# Altium PCB MB1191.PcbDoc (part 1 of 7) (continued)
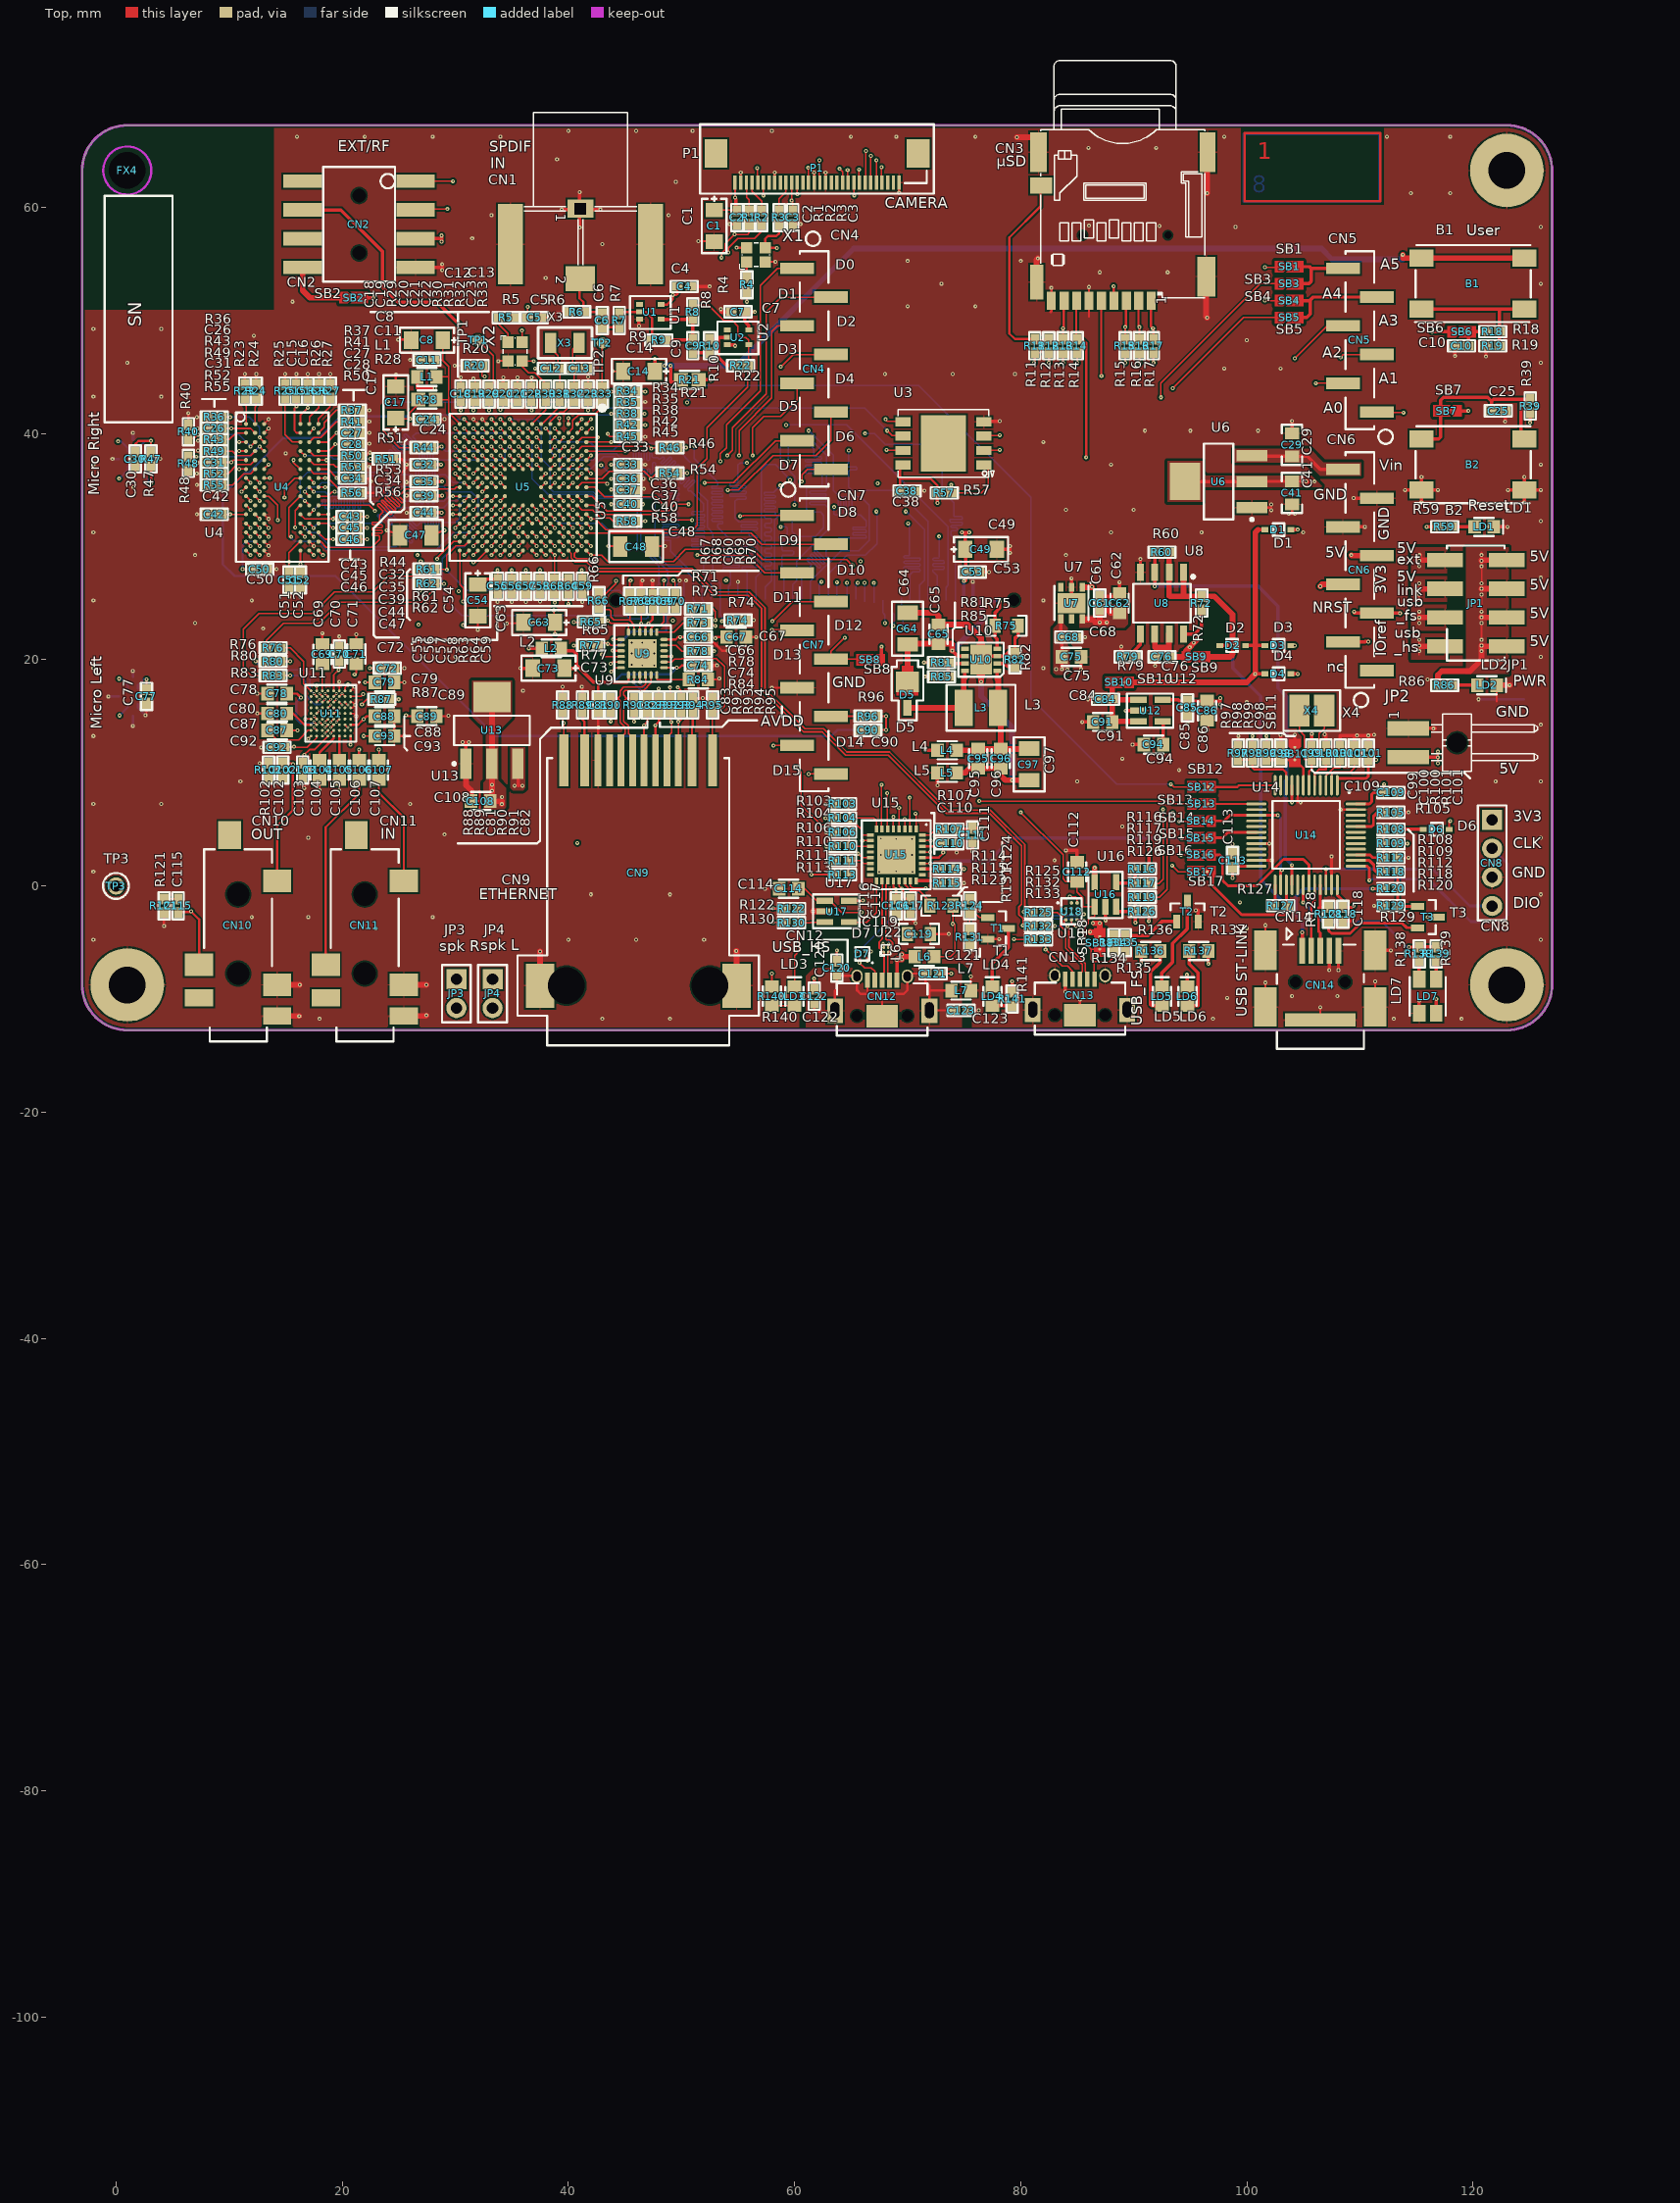
[diagram p0: Top view]
## Components (designator, comment, footprint, x,y, rotation, side; value= is the part's Value field where it differs from the comment)
B1 "SW-PUSH-CMS_BLUE" BP1CMS 120,53.25 r270 top
B2 "SW-PUSH-CMS_BLACK" BP1CMS 120,37.25 r270 top
C1 "10uF" TAN-A 52.9,58.35 r90 top
C2 "100nF" 0402C 54.9,59.1 r90 top
C3 "100nF" 0402C 59.85,59.1 r90 top
C4 "100nF" 0402C 50.25,53 r180 top
C5 "100nF" 0402C 37,50.25 r180 top
C6 "22nF" 0402C 43,50 r270 top
C7 "100nF" 0402C 55,50.75 r0 top
C8 "1uF" TAN-A 27.5,48.25 r0 top
C9 "22nF" 0402C 51,47.75 r270 top
C10 "100nF" 0402C 119,47.75 r0 top
C11 "100nF" 0402C 27.5,46.5 r0 top
C12 "4.7pF_NPO_-+0.25pF_0402" 0402C 38.5,45.75 r0 top value=4.7pF
C13 "4.7pF_NPO_-+0.25pF_0402" 0402C 41,45.75 r180 top value=4.7pF
C14 "4.7uF" TAN-A 46.25,45.5 r0 top
C15 "100nF_X7R_10%_0402" 0402C 15.95,43.75 r270 top value=100nF
C16 "100nF_X7R_10%_0402" 0402C 16.95,43.75 r270 top value=100nF
C17 "1uF" TAN-A 24.75,42.75 r270 top
C18 "100nF" 0402C 30.5,43.5 r270 top
C19 "100nF" 0402C 31.75,43.5 r270 top
C20 "100nF" 0402C 34.25,43.5 r270 top
C21 "100nF" 0402C 35.5,43.5 r270 top
C22 "100nF" 0402C 36.75,43.5 r270 top
C23 "100nF" 0402C 41.75,43.5 r270 top
C24 "100nF" 0402C 27.5,41.25 r180 top
C25 "100nF" 0402C 122.25,42 r180 top
C26 "100nF_X7R_10%_0402" 0402C 8.7,40.45 r0 top value=100nF
C27 "100nF_X7R_10%_0402" 0402C 20.9,40.05 r180 top value=100nF
C28 "100nF_X7R_10%_0402" 0402C 20.9,39.05 r180 top value=100nF
C29 "10uF_X5R_10%_0805" 0805C 104,39 r90 top value=10uF
C30 "100nF" 0402C 1.7,37.75 r270 top
C31 "100nF_X7R_10%_0402" 0402C 8.7,37.45 r0 top value=100nF
C32 "100nF" 0402C 27.25,37.25 r0 top
C33 "100nF" 0402C 45.25,37.25 r180 top
C34 "100nF_X7R_10%_0402" 0402C 20.9,36.05 r180 top value=100nF
C35 "100nF" 0402C 27.25,35.75 r0 top
C36 "100nF" 0402C 45.25,36 r180 top
C37 "100nF" 0402C 45.25,35 r180 top
C38 "100nF_X7R_10%_0402" 0402C 69.947,34.924 r180 top value=100nF
C39 "100nF" 0402C 27.25,34.5 r0 top
C40 "100nF" 0402C 45.25,33.75 r180 top
C41 "10uF_X5R_10%_0805" 0805C 104,34.75 r270 top value=10uF
C42 "100nF_X7R_10%_0402" 0402C 8.7,32.85 r0 top value=100nF
C43 "100nF_X7R_10%_0402" 0402C 20.7,32.65 r180 top value=100nF
C44 "100nF" 0402C 27.25,33 r0 top
C45 "100nF_X7R_10%_0402" 0402C 20.7,31.65 r180 top value=100nF
C46 "100nF_X7R_10%_0402" 0402C 20.7,30.65 r180 top value=100nF
C47 "2.2uF" 1206C 26.5,31 r0 top
C48 "2.2uF" 1206C 46,30 r180 top
C49 "4.7uF" TAN-A 76.5,29.75 r180 top
C50 "100nF_X7R_10%_0402" 0402C 12.7,28 r180 top value=100nF
C51 "100nF_X7R_10%_0402" 0402C 15.3,27.05 r90 top value=100nF
C52 "100nF_X7R_10%_0402" 0402C 16.3,27.05 r90 top value=100nF
C53 "100nF" 0402C 75.75,27.75 r180 top
C54 "4.7uF" TAN-A 32,25.25 r90 top
C55 "100nF" 0402C 33.75,26.5 r90 top
C56 "100nF" 0402C 35,26.5 r90 top
C57 "100nF" 0402C 36.25,26.5 r90 top
C58 "100nF" 0402C 37.5,26.5 r90 top
C59 "100nF" 0402C 41.25,26.5 r90 top
C60 "100nF" 0402C 47.45,25.2 r270 top
C61 "100nF" 0402C 87,25 r270 top
C62 "1uF" 0603C 88.75,25 r270 top
C63 "10uF" TAN-A 37.427,23.29 r0 top
C64 "4.7uF_50V" 1206C 70,22.75 r90 top value=4.7uF
C65 "10nF" 0603C 72.75,22.25 r270 top
C66 "470pF" 0402C 51.5,22 r180 top
C67 "1uF" 0603C 54.85,22 r180 top
C68 "100nF" 0402C 84.25,22 r180 top
C69 "1uF" 0603C 18.26,20.49 r270 top
C70 "100nF" 0402C 19.75,20.5 r90 top
C71 "1uF" 0603C 21.25,20.5 r270 top
C72 "100nF" 0402C 24,19.25 r0 top
C73 "10uF" TAN-A 38.25,19.25 r0 top
C74 "100nF" 0402C 51.5,19.5 r180 top
C75 "1uF" 0603C 84.5,20.25 r180 top
C76 "100nF" 0402C 92.5,20.25 r0 top
C77 "100nF" 0402C 2.7,16.75 r270 top
C78 "2.2uF" 0603C 14.25,17 r180 top
C79 "4.7uF" 0603C 23.75,18 r0 top
C80 "2.2uF" 0603C 14.25,15.25 r180 top
C81 "100nF" 0402C 42.65,16 r90 top
C82 "100nF" 0402C 47,16 r270 top
C83 "100nF" 0402C 48,16 r270 top
C84 "100nF" 0402C 87.5,16.5 r0 top
C85 "100nF" 0402C 94.75,15.75 r90 top
C86 "1uF" 0603C 96.5,15.5 r270 top
C87 "2.2uF" 0603C 14.25,13.75 r0 top
C88 "4.7uF" 0603C 23.75,15 r180 top
C89 "1uF" 0603C 27.5,15 r0 top
C90 "[NA]" 0402C 66.5,13.75 r0 top
C91 "1uF" 0603C 87.25,14.5 r0 top
C92 "100nF" 0402C 14.25,12.25 r180 top
C93 "4.7uF" 0603C 23.75,13.25 r0 top
C94 "10nF" 0603C 91.75,12.5 r0 top
C95 "100nF" 0603C 76.25,11.25 r90 top
C96 "10nF" 0603C 78.25,11.25 r90 top
C97 "4.7uF_16V" 1206C 80.75,10.75 r270 top value=4.7uF
C98 "100nF" 0402C 103,11.75 r270 top
C99 "10pF" 0402C 105.75,11.75 r270 top
C100 "10pF" 0402C 107,11.75 r270 top
C101 "100nF" 0402C 110.75,11.75 r270 top
C102 "100nF" 0402C 14.75,10.25 r270 top
C103 "100nF" 0402C 16.5,10.25 r270 top
C104 "4.7uF" 0603C 18,10.25 r270 top
C105 "4.7uF" 0603C 19.75,10.25 r90 top
C106 "1uF" 0603C 21.5,10.25 r270 top
C107 "1uF" 0603C 23.25,10.25 r270 top
C108 "10uF_X5R_10%_0603" 0603C 32.25,7.5 r0 top value=10uF
C109 "100nF" 0402C 112.75,8.25 r180 top
C110 "100nF" 0402C 73.75,3.75 r180 top
C111 "100nF" 0402C 75.75,4.5 r270 top
C112 "4.7uF_X5R_10%_0603" 0603C 85,1.25 r270 top value=4.7uF
C113 "100nF" 0402C 98.75,2.25 r270 top
C114 "4.7uF_X5R_10%_0603" 0603C 59.5,-0.25 r180 top value=4.7uF
C115 "100nF" 0402C 5.5,-1.75 r90 top
C116 "100nF" 0402C 69,-1.75 r90 top
C117 "100nF" 0402C 70.25,-1.75 r270 top
C118 "100nF" 0402C 108.5,-2.5 r270 top
C119 "2.2uF_X7R_10%_0805" 0805C 71,-4.25 r0 top value=2.2uF
C120 "100nF" 0402C 63.75,-7.25 r270 top
C121 "100nF" 0402C 72.25,-7.75 r180 top
C122 "100nF" 0402C 61.75,-9.75 r270 top
C123 "100nF" 0402C 74.75,-11 r180 top
CN1 "RCA_SMD" RCA_SMD 41.075,59.875 r270 top
CN2 "F206A-2*04MGF-A" SSM-104-L-DH 21.5,58.5 r90 top
CN3 "PJS008-2003-1" PJS008-2003-1 89.025,67.325 r90 top
CN4 "F201-1*08MGF-W1-LBE" F201-1*08MGF-W1-BA 61.74,45.71 r270 top
CN5 "F201-1*06MGF-W1-LBE" F201-1*06MGF-W1-BA 110,48.25 r90 top
CN6 "F201-1*08MGF-W1-LBE" F201-1*08MGF-W1-BA 110,27.93 r90 top
CN7 "F201-1*10MGF-W1-LBE" F201-1*10MGF-W1-BA 61.74,21.326 r270 top
CN8 "Header 4" "HEADER 4" 121.7,5.85 r270 top
CN9 "HR961160C" RJ45_HR961160C 46.186,-8.814 r0 top
CN10 "PJ3028B-3_GR" PJ3028B 10.8,-4.25 r90 top
CN11 "PJ3028B-3_BE" PJ3028B 22,-4.25 r90 top
CN12 "USB-MICRO-AB" USB-MICRO-AB 67.757,-8.318 r90 top
CN13 "USB-MICRO-AB" USB-MICRO-AB 85.25,-8.25 r90 top locked
CN14 "USB-MINI-typeB" USB-MINI-B-SMD 106.5,-8.5 r180 top locked
D1 "BAT60JFILM" SOD323/A 102.75,31.5 r0 top
D2 "BAT60JFILM" SOD323/A 98.75,21.25 r180 top
D3 "BAT60JFILM" SOD323/A 102.75,21.25 r0 top
D4 "BAT60JFILM" SOD323/A 102.75,18.75 r0 top
D5 "STPS1L40M" DO216-AA 70,17.75 r270 top
D6 "BAT60JFILM" SOD323/A 116.75,5 r0 top
D7 "ESDA14V2-2BF3" BGA4_1X1 66,-6 r180 top
FX4 "Comment" FIX3.25NMET 1,63.25 r0 top locked
IMP1 "Comment" "IMPEDANCE BOARD 8" -110.75,98.425 r0 top
JP1 "TSM-104-01-x-DV" TSM-104-01-X-DV 120.25,25 r270 top
JP2 "TSM-102-01-F-SH-A" TSM-102-01-F-SH-A 118.6,12.655 r0 top
JP3 "Jumper 2 pins" SIP2/2.54 30.1,-8.25 r270 top
JP4 "Jumper 2 pins" SIP2/2.54 33.3,-8.25 r270 top
L1 "FCM1608KF-601T03" 0603L 27.5,45 r0 top value=100uH
L2 "BLM18PG121SN1D" 0603L 38.5,21 r180 top value=100uH
L3 "4.7uH 1A 30%" 1210L 76.5,15.75 r0 top
L4 "FCM1608KF-601T03" 0603L 73.5,12 r0 top value=100uH
L5 "FCM1608KF-601T03" 0603L 73.5,10 r0 top value=100uH
L6 "BLM18PG121SN1D" 0603L 71.5,-6.25 r180 top value=100uH
L7 "BLM18PG121SN1D" 0603L 74.75,-9.25 r180 top value=100uH
LD1 "LED, green" 0603D 121,31.75 r0 top
LD2 "LED, red" 0603D 121.25,17.75 r0 top
LD3 "LED, red" 0603D 60,-9.75 r90 top
LD4 "LED, green" 0603D 77.5,-9.75 r90 top
LD5 "LED, green" 0603D 92.5,-9.75 r90 top
LD6 "LED, red" 0603D 94.75,-9.75 r90 top
LD7 "LD_BICOLOR_CMS" HSMF-A201 116,-9.75 r90 top
P1 "FPU330ZH-BT1D3-CA" FPU330ZH-BT1D3-CA 62,64.75 r180 top
R1 "100_1%_0402" 0402R 56,59.1 r90 top value=100
R2 "100_1%_0402" 0402R 57.1,59.1 r90 top value=100
R3 "100_1%_0402" 0402R 58.65,59.1 r90 top value=100
R4 "10K_1%_0402" 0402R 55.8,53.15 r90 top value=10K
R5 "10K_1%_0402" 0402R 34.5,50.25 r180 top value=10K
R6 "75" 0402R 40.75,50.75 r0 top
R7 "100" 0402R 44.5,50 r90 top
R8 "[NA]" 0402R 51,50.75 r90 top
R9 "1M" 0402R 48,48.25 r0 top
R10 "100" 0402R 52.5,47.75 r90 top
R11 "0_5%_0402" 0402R 81.25,47.75 r90 top value=0
R12 "[NA]" 0402R 82.5,47.75 r270 top
R13 "47K_1%_0402" 0402R 83.75,47.75 r270 top value=47K
R14 "47K_1%_0402" 0402R 85,47.75 r270 top value=47K
R15 "47K_1%_0402" 0402R 89.25,47.75 r270 top value=47K
R16 "47K_1%_0402" 0402R 90.5,47.75 r270 top value=47K
R17 "47K_1%_0402" 0402R 91.75,47.75 r270 top value=47K
R18 "10K" 0402R 121.75,49 r0 top
R19 "10K" 0402R 121.75,47.75 r0 top
R20 "10K" 0402R 31.75,46 r0 top
R21 "0" 0603R-GS 50.75,44.75 r0 top
R22 "1M" 0402R 55.25,46 r0 top
R23 "10K_1%_0402" 0402R 11.4,43.75 r90 top value=10K
R24 "10K_1%_0402" 0402R 12.4,43.75 r90 top value=10K
R25 "10K_1%_0402" 0402R 14.95,43.75 r90 top value=10K
R26 "10K_1%_0402" 0402R 17.95,43.75 r90 top value=10K
R27 "10K_1%_0402" 0402R 18.95,43.75 r90 top value=10K
R28 "0" 0603R-GS 27.5,43 r180 top
R29 "100" 0402R 33,43.5 r90 top
R30 "100_1%_0402" 0402R 38,43.5 r270 top value=100
R31 "0" 0402R 39.25,43.5 r270 top
R32 "0" 0402R 40.5,43.5 r270 top
R33 "100" 0402R 43,43.5 r90 top
R34 "10K_1%_0402" 0402R 45.25,43.75 r0 top value=10K
R35 "[NA]" 0402R 45.25,42.75 r180 top
R36 "10K_1%_0402" 0402R 8.7,41.45 r180 top value=10K
R37 "10K_1%_0402" 0402R 20.9,42.05 r0 top value=10K
R38 "10K_1%_0402" 0402R 45.25,41.75 r180 top value=10K
R39 "10K_1%_0402" 0402R 125.071,42.421 r270 top value=10K
R40 "10K_1%_0402" 0402R 6.4,40.15 r90 top value=10K
R41 "10K_1%_0402" 0402R 20.9,41.05 r0 top value=10K
R42 "[NA]" 0402R 45.25,40.75 r180 top
R43 "10K_1%_0402" 0402R 8.7,39.45 r180 top value=10K
R44 "0" 0402R 27.25,38.75 r0 top
R45 "10K_1%_0402" 0402R 45.25,39.75 r180 top value=10K
R46 "2K7_1%_0402" 0402R 49,38.75 r0 top value=2K7
R47 "10K" 0402R 3.1,37.75 r90 top
R48 "10K_1%_0402" 0402R 6.4,37.35 r270 top value=10K
R49 "10K_1%_0402" 0402R 8.7,38.45 r180 top value=10K
R50 "10K_1%_0402" 0402R 20.9,38.05 r0 top value=10K
R51 "10K_1%_0402" 0402R 23.9,37.75 r0 top value=10K
R52 "10K_1%_0402" 0402R 8.7,36.45 r180 top value=10K
R53 "10K_1%_0402" 0402R 20.9,37.05 r0 top value=10K
R54 "2K7_1%_0402" 0402R 49,36.5 r0 top value=2K7
R55 "10K_1%_0402" 0402R 8.7,35.45 r0 top value=10K
R56 "10K_1%_0402" 0402R 20.9,34.75 r180 top value=10K
R57 "10K_1%_0402" 0402R 73.25,34.75 r180 top value=10K
R58 "100" 0402R 45.25,32.25 r0 top
R59 "510_1%_0402" 0402R 117.5,31.75 r180 top value=510
R60 "10K_1%_0402" 0402R 92.5,29.5 r0 top value=10K
R61 "2K7_1%_0402" 0402R 27.5,28 r180 top value=2K7
R62 "2K7_1%_0402" 0402R 27.5,26.75 r180 top value=2K7
R63 "[NA]" 0402R 38.75,26.5 r90 top
R64 "0" 0402R 40,26.5 r90 top
R65 "1K5" 0402R 42.04,23.35 r180 top
R66 "33" 0402R 42.7,25.225 r90 top
R67 "4K7" 0402R 45.436,25.186 r90 top
R68 "4K7" 0402R 46.436,25.186 r270 top
R69 "33" 0402R 48.436,25.186 r90 top
R70 "4K7" 0402R 49.436,25.186 r90 top
R71 "33" 0402R 51.5,24.5 r0 top
R72 "100K_1%_0402" 0402R 96,25 r90 top value=100K
R73 "4K7" 0402R 51.5,23.25 r0 top
R74 "4K7" 0402R 55,23.5 r0 top
R75 "10_1%_0805" 0805R 78.75,23 r0 top value=10
R76 "0" 0402R 13.9,21.05 r0 top
R77 "4K7" 0402R 41.975,21.289 r180 top
R78 "100" 0402R 51.5,20.75 r180 top
R79 "2K7" 0402R 89.5,20.25 r180 top
R80 "[NA]" 0402R 13.9,19.85 r0 top
R81 "0" 0402R 73,19.75 r180 top
R82 "100K" 0402R 79.5,20 r90 top
R83 "0" 0402R 13.9,18.6 r0 top
R84 "12K1" 0603R 51.5,18.25 r0 top
R85 "4K7" 0402R 73,18.5 r180 top
R86 "1K" 0402R 117.5,17.75 r0 top
R87 "10K" 0402R 23.5,16.5 r0 top
R88 "10K" 0402R 39.5,16 r270 top
R89 "330" 0402R 41.25,16 r270 top
R90 "50" 0402R 43.75,16 r90 top value=49.9
R91 "50" 0402R 45.8,16 r90 top value=49.9
R92 "50" 0402R 49,16 r270 top value=49.9
R93 "50" 0402R 50,16 r270 top value=49.9
R94 "330" 0402R 51,16 r270 top
R95 "10K" 0402R 52.75,16 r270 top
R96 "0" 0402R 66.5,15 r0 top
R97 "4K7_1%_0402" 0402R 99.25,11.75 r270 top value=4K7
R98 "4K7_1%_0402" 0402R 100.5,11.75 r270 top value=4K7
R99 "100K_1%_0402" 0402R 101.75,11.75 r90 top value=100K
R100 "[NA]" 0402R 108.25,11.75 r270 top
R101 "10K_1%_0402" 0402R 109.5,11.75 r270 top value=10K
R102 "20" 0402R 13.5,10.25 r90 top
R103 "[NA]" 0402R 64.25,7.25 r0 top
R104 "0_5%_0402" 0402R 64.25,6 r180 top value=0
R105 "100K_1%_0402" 0402R 112.75,6.5 r180 top value=100K
R106 "[NA]" 0402R 64.25,4.75 r0 top
R107 "0_5%_0402" 0402R 73.75,5 r0 top value=0
R108 "2K7_1%_0402" 0402R 112.75,5 r0 top value=2K7
R109 "0" 0402R 112.75,3.75 r0 top
R110 "0_5%_0402" 0402R 64.25,3.5 r180 top value=0
R111 "[NA]" 0402R 64.25,2.25 r0 top
R112 "4K7_1%_0402" 0402R 112.75,2.5 r180 top value=4K7
R113 "0_5%_0402" 0402R 64.25,1 r180 top value=0
R114 "100_1%_0402" 0402R 73.5,1.5 r180 top value=100
R115 "8K06_1%_0402" 0402R 73.5,0.25 r0 top value=8K06
R116 "10K_1%_0402" 0402R 90.75,1.5 r0 top value=10K
R117 "0_5%_0402" 0402R 90.75,0.25 r180 top value=0
R118 "100_1%_0402" 0402R 112.75,1.25 r180 top value=100
R119 "0_5%_0402" 0402R 90.75,-1 r0 top value=0
R120 "10K_1%_0402" 0402R 112.75,-0.25 r180 top value=10K
R121 "20" 0402R 4.25,-1.75 r270 top
R122 "3K3" 0402R 59.75,-2 r0 top
R123 "820_1%_0805" 0805R 73,-1.75 r180 top value=820
R124 "47K_1%_0402" 0402R 75.5,-1.75 r270 top value=47K
R125 "0" 0402R 81.6,-2.35 r0 top
R126 "47K_1%_0402" 0402R 90.75,-2.25 r0 top value=47K
R127 "100_1%_0402" 0402R 103,-1.75 r180 top value=100
R128 "1K5_1%_0402" 0402R 107.25,-2.5 r270 top value=1K5
R129 "36K_1%_0402" 0402R 112.75,-1.75 r0 top value=36K
R130 "0" 0402R 59.75,-3.25 r180 top
R131 "100K" 0402R 75.5,-4.5 r270 top
R132 "0" 0402R 81.6,-3.55 r0 top
R133 "0" 0402R 81.6,-4.75 r0 top
R134 "47K_1%_0402" 0402R 88.25,-5 r270 top value=47K
R135 "100K" 0402R 89.25,-5 r270 top
R136 "330_1%_0603" 0603R 91.5,-5.75 r180 top value=330
R137 "620_1%_0603" 0603R 95.75,-5.75 r0 top value=620
R138 "330_1%_0402" 0402R 115.25,-6 r270 top value=330
R139 "330_1%_0402" 0402R 116.75,-6 r90 top value=330
R140 "620_1%_0603" 0603R 58,-9.75 r90 top value=620
R141 "330_1%_0402" 0402R 79.25,-10 r90 top value=330
SB1 "Solder Bridge OFF" JP2_SMD 103.75,54.75 r0 top
SB2 "Solder Bridge OFF" JP2_SMD 21,52 r0 top
SB3 "Solder Bridge ON" JP2_SMD 103.75,53.25 r0 top
SB4 "Solder Bridge OFF" JP2_SMD 103.75,51.75 r0 top
SB5 "Solder Bridge ON" JP2_SMD 103.75,50.25 r0 top
SB6 "Solder Bridge ON" JP2_SMD 119,49 r0 top
SB7 "Solder Bridge ON" JP2_SMD 117.75,42 r180 top
SB8 "Solder Bridge ON" JP2_SMD 66.75,20 r180 top
SB9 "Solder Bridge OFF" JP2_SMD 95.5,20.25 r0 top
SB10 "Solder Bridge ON" JP2_SMD 88.75,18 r180 top
SB11 "Solder Bridge OFF" JP2_SMD 104.25,11.75 r270 top
SB12 "Solder Bridge ON" JP2_SMD 96,8.75 r0 top
SB13 "Solder Bridge ON" JP2_SMD 96,7.25 r0 top
SB14 "Solder Bridge ON" JP2_SMD 96,5.75 r180 top
SB15 "Solder Bridge ON" JP2_SMD 96,4.25 r180 top
SB16 "Solder Bridge ON" JP2_SMD 96,2.75 r180 top
SB17 "Solder Bridge ON" JP2_SMD 96,1.25 r180 top
SB18 "Solder Bridge ON" JP2_SMD 87,-5 r270 top
T1 "9013-SOT23" SOT23 78,-3.75 r0 top
T2 "9013-SOT23" SOT23 94.75,-2.25 r90 top
T3 "9013-SOT23" SOT23 116,-2.75 r0 top
TP1 "TP" SMDTEST-1MM 32,48.25 r0 top
TP2 "TP" SMDTEST-1MM 43,48 r0 top
TP3 "Test point 1 pin with hole" SIP1/2.54 0,0 r0 top
U1 "74LVC1G04SE" SOT353 47.25,50.75 r270 top
U2 "74LVC1G04SE" SOT353 55,48.5 r270 top
U3 "MT25QL128ABA1EW9-0SIT" W-PDFN-8_8X6_P127 73.175,39.13 r180 top
U4 "IS42S32400F-6BL (ISSI)" FBGA90_0R8_8X13 14.7,35.25 r0 top
U5 "STM32F746NGH6" BGA216_0R8_13X13_SKT 36,35.25 r270 top
U6 "LD1117S50TR" SOT-223 97.5,35.75 r180 top
U7 "LD39050PU33R" DFN6_3X3 84.5,25 r180 top
U8 "ST890CDR" SO-8 92.5,25 r180 top
U9 "LAN8742A-CZ-TR" QFN24_0R5_4X4 46.572,20.539 r180 top
U10 "STLD40DPUR" QFN8_0R65_3X3_ST 76.5,20 r90 top
U11 "WM8994ECS/R" BGA72_0R5_4R5X4 19,15.25 r270 top
U12 "LD3985M33R" SOT23-5L 91.5,15.5 r270 top
U13 "LD1117S18TR" SOT-223 33.25,13.75 r90 top
U14 "STM32F103CBT6" "QFP48 7X7" 105.25,4.5 r270 top
U15 "USB3320C-EZK" QFN32_0R5_5X5 69,2.75 r270 top
U16 "STMPS2141STR" SOT23-5L 87.5,-0.75 r0 top
U17 "STMPS2151STR" SOT23-5L 63.75,-2.25 r270 top
U18 "EMIF02-USB03F2" "FLIP CHIP" 84.5,-2.5 r0 top
U19 "HT043C" "LCD_Kunjian_ HT043C_40P_P080_FLEX_FOLDED" 61.8,27.27 r180 bottom locked
U20 "IMP34DT05TR" HCLGA_3X4X1_4LD 1.575,37.75 r0 bottom
U21 "IMP34DT05TR" HCLGA_3X4X1_4LD 1.575,16.8 r0 bottom
U22 "ESD7383NCTBG" ESD_WLCSP4_CASE-567CB_0P80X0P80_P040 68.1,-5.65 r90 top
X1 "NZ2520SH-24.00M" NZ2520SH_4P 56.6,55.8 r0 top
X2 "NZ2520SH-25.00M" NZ2520SH_4P 35.3,47.25 r270 top
X3 "NX3215SA-32.768K" XTAL_2SM_3R2X1R5 39.7,48 r180 top
X4 "NX3225GD-8.00M" XTAL_2SM_3R2X2R5 105.75,15.5 r0 top

## Footprints (in the part's own frame and the unit in brackets; to place one, negate y for a bottom-side part, rotate by r counter-clockwise, add the part's x,y. Pads: shape width x height; smd on the part's side, far side on the other; paste and mask are expansions set on the pad)
0402C [mm]
  rect 0.962x0.762 smd: 1(-0.6,0) 2(0.6,0)
  silkscreen extent -1.2,-0.5 1.2,0.5
0402R [mm]
  rect 0.962x0.762 smd: 1(-0.6,0) 2(0.6,0)
  silkscreen extent -1.2,-0.5 1.2,0.5
0603C [mm]
  rect 1.1x1.2 smd: 1(-0.85,0) 2(0.85,0)
  silkscreen extent -0.85,-0.8 0.86,0.8
0603D [mm]
  rect 1.1x1.2 smd: 1(-0.85,0) 2(0.85,0)
  silkscreen extent -0.86,-0.8 1.67,0.8
0603L [mm]
  rect 1.1x1.2 smd: 1(-0.85,0) 2(0.85,0)
  silkscreen extent -0.85,-0.8 0.86,0.8
0603R [mm]
  rect 1.1x1.2 smd: 1(-0.85,0) 2(0.85,0)
  silkscreen extent -0.85,-0.8 0.86,0.8
0603R-GS [mm]
  rect 1.25x1.2 smd: 1(-0.775,0) 2(0.775,0)
  silkscreen extent -0.86,-0.8 0.84,0.79
0805C [mil]
  rect 40x50 smd: 1(40,0) 2(-40,0)
  silkscreen extent -70,-35 70,35
0805R [mil]
  rect 40x50 smd: 1(40,0) 2(-40,0)
  silkscreen extent -70,-35 70,35
1206C [mil]
  rect 50x72 smd: 1(-55,0) 2(55,0)
  silkscreen extent -94,-54 94,54
1210L [mm]
  rect 1.6x3.2 smd: 1(1.524,0) 2(-1.524,0)
  silkscreen extent -3.05,-2.03 3.05,2.03
BGA4_1X1 [mm]
  round 0.22 smd: A1(-0.2,0.2) A2(0.2,0.2) B1(-0.2,-0.2) B2(0.2,-0.2)
  silkscreen extent -1,-0.6 0.6,0.9
BGA72_0R5_4R5X4 [mm]
  round 0.25 smd: A1(-2,1.75) A2(-1.5,1.75) A3(-1,1.75) A4(-0.5,1.75) A5(0,1.75) A6(0.5,1.75) A7(1,1.75) A8(1.5,1.75) A9(2,1.75) B1(-2,1.25) B2(-1.5,1.25) B3(-1,1.25) B4(-0.5,1.25) B5(0,1.25) B6(0.5,1.25) B7(1,1.25) B8(1.5,1.25) B9(2,1.25) C1(-2,0.75) C2(-1.5,0.75) C3(-1,0.75) C4(-0.5,0.75) C5(0,0.75) C6(0.5,0.75) C7(1,0.75) C8(1.5,0.75) C9(2,0.75) D1(-2,0.25) D2(-1.5,0.25) D3(-1,0.25) D4(-0.5,0.25) D5(0,0.25) D6(0.5,0.25) D7(1,0.25) D8(1.5,0.25) D9(2,0.25) E1(-2,-0.25) E2(-1.5,-0.25) E3(-1,-0.25) E4(-0.5,-0.25) E5(0,-0.25) E6(0.5,-0.25) E7(1,-0.25) E8(1.5,-0.25) E9(2,-0.25) F1(-2,-0.75) F2(-1.5,-0.75) F3(-1,-0.75) F4(-0.5,-0.75) F5(0,-0.75) F6(0.5,-0.75) F7(1,-0.75) F8(1.5,-0.75) F9(2,-0.75) G1(-2,-1.25) G2(-1.5,-1.25) G3(-1,-1.25) G4(-0.5,-1.25) G5(0,-1.25) G6(0.5,-1.25) G7(1,-1.25) G8(1.5,-1.25) G9(2,-1.25) H1(-2,-1.75) H2(-1.5,-1.75) H3(-1,-1.75) H4(-0.5,-1.75) H5(0,-1.75) H6(0.5,-1.75) H7(1,-1.75) H8(1.5,-1.75) H9(2,-1.75)
  silkscreen extent -2.85,-2.25 2.5,2.6
BGA216_0R8_13X13_SKT [mm]
  oct 0.35x0.35 smd: A1(-5.6,5.6) A2(-4.8,5.6) A3(-4,5.6) A4(-3.2,5.6) A5(-2.4,5.6) A6(-1.6,5.6) A7(-0.8,5.6) A8(0,5.6) A9(0.8,5.6) A10(1.6,5.6) A11(2.4,5.6) A12(3.2,5.6) A13(4,5.6) A14(4.8,5.6) A15(5.6,5.6) B1(-5.6,4.8) B2(-4.8,4.8) B3(-4,4.8) B4(-3.2,4.8) B5(-2.4,4.8) B6(-1.6,4.8) B7(-0.8,4.8) B8(0,4.8) B9(0.8,4.8) B10(1.6,4.8) B11(2.4,4.8) B12(3.2,4.8) B13(4,4.8) B14(4.8,4.8) B15(5.6,4.8) C1(-5.6,4) C2(-4.8,4) C3(-4,4) C4(-3.2,4) C5(-2.4,4) C6(-1.6,4) C7(-0.8,4) C8(0,4) C9(0.8,4) C10(1.6,4) C11(2.4,4) C12(3.2,4) C13(4,4) C14(4.8,4) C15(5.6,4) D1(-5.6,3.2) D2(-4.8,3.2) D3(-4,3.2) D4(-3.2,3.2) D5(-2.4,3.2) D6(-1.6,3.2) D7(-0.8,3.2) D8(0,3.2) D9(0.8,3.2) D10(1.6,3.2) D11(2.4,3.2) D12(3.2,3.2) D13(4,3.2) D14(4.8,3.2) D15(5.6,3.2) E1(-5.6,2.4) E2(-4.8,2.4) E3(-4,2.4) E4(-3.2,2.4) E5(-2.4,2.4) E6(-1.6,2.4) E7(-0.8,2.4) E8(0,2.4) E9(0.8,2.4) E10(1.6,2.4) E11(2.4,2.4) E12(3.2,2.4) E13(4,2.4) E14(4.8,2.4) E15(5.6,2.4) F1(-5.6,1.6) F2(-4.8,1.6) F3(-4,1.6) F4(-3.2,1.6) F5(-2.4,1.6) F6(-1.6,1.6) F7(-0.8,1.6) F8(0,1.6) F9(0.8,1.6) F10(1.6,1.6) F11(2.4,1.6) F12(3.2,1.6) F13(4,1.6) F14(4.8,1.6) F15(5.6,1.6) G1(-5.6,0.8) G2(-4.8,0.8) G3(-4,0.8) G4(-3.2,0.8) G5(-2.4,0.8) G6(-1.6,0.8) G10(1.6,0.8) G11(2.4,0.8) G12(3.2,0.8) G13(4,0.8) G14(4.8,0.8) G15(5.6,0.8) H1(-5.6,0) H2(-4.8,0) H3(-4,0) H4(-3.2,0) H5(-2.4,0) H6(-1.6,0) H10(1.6,0) H11(2.4,0) H12(3.2,0) H13(4,0) H14(4.8,0) H15(5.6,0) J1(-5.6,-0.8) J2(-4.8,-0.8) J3(-4,-0.8) J4(-3.2,-0.8) J5(-2.4,-0.8) J6(-1.6,-0.8) J10(1.6,-0.8) J11(2.4,-0.8) J12(3.2,-0.8) J13(4,-0.8) J14(4.8,-0.8) J15(5.6,-0.8) K1(-5.6,-1.6) K2(-4.8,-1.6) K3(-4,-1.6) K4(-3.2,-1.6) K5(-2.4,-1.6) K6(-1.6,-1.6) K7(-0.8,-1.6) K8(0,-1.6) K9(0.8,-1.6) K10(1.6,-1.6) K11(2.4,-1.6) K12(3.2,-1.6) K13(4,-1.6) K14(4.8,-1.6) K15(5.6,-1.6) L1(-5.6,-2.4) L2(-4.8,-2.4) L3(-4,-2.4) L4(-3.2,-2.4) L5(-2.4,-2.4) L6(-1.6,-2.4) L7(-0.8,-2.4) L8(0,-2.4) L9(0.8,-2.4) L10(1.6,-2.4) L11(2.4,-2.4) L12(3.2,-2.4) L13(4,-2.4) L14(4.8,-2.4) L15(5.6,-2.4) M1(-5.6,-3.2) M2(-4.8,-3.2) M3(-4,-3.2) M4(-3.2,-3.2) M5(-2.4,-3.2) M6(-1.6,-3.2) M7(-0.8,-3.2) M8(0,-3.2) M9(0.8,-3.2) M10(1.6,-3.2) M11(2.4,-3.2) M12(3.2,-3.2) M13(4,-3.2) M14(4.8,-3.2) M15(5.6,-3.2) N1(-5.6,-4) N2(-4.8,-4) N3(-4,-4) N4(-3.2,-4) N5(-2.4,-4) N6(-1.6,-4) N7(-0.8,-4) N8(0,-4) N9(0.8,-4) N10(1.6,-4) N11(2.4,-4) N12(3.2,-4) N13(4,-4) N14(4.8,-4) N15(5.6,-4) P1(-5.6,-4.8) P2(-4.8,-4.8) P3(-4,-4.8) P4(-3.2,-4.8) P5(-2.4,-4.8) P6(-1.6,-4.8) P7(-0.8,-4.8) P8(0,-4.8) P9(0.8,-4.8) P10(1.6,-4.8) P11(2.4,-4.8) P12(3.2,-4.8) P13(4,-4.8) P14(4.8,-4.8) P15(5.6,-4.8) R1(-5.6,-5.6) R2(-4.8,-5.6) R3(-4,-5.6) R4(-3.2,-5.6) R5(-2.4,-5.6) R6(-1.6,-5.6) R7(-0.8,-5.6) R8(0,-5.6) R9(0.8,-5.6) R10(1.6,-5.6) R11(2.4,-5.6) R12(3.2,-5.6) R13(4,-5.6) R14(4.8,-5.6) R15(5.6,-5.6)
  silkscreen extent -7.4,-6.5 6.5,7.4
BP1CMS [mm]
  rect 1.52x2.16 smd: 1(-2.25,-4.55) 2(2.25,-4.55) 3(2.25,4.55) 4(-2.25,4.55)
  silkscreen extent -3.4,-5.1 3.4,5.12
DFN6_3X3 [mm]
  rect 0.5x0.8 smd: 1(-0.95,-1.4) 2(0,-1.4) 3(0.95,-1.4) 4(0.95,1.4) 5(0,1.4) 6(-0.95,1.4)
  rect 2.5x1.75 smd: 7(0,0)
  silkscreen extent -1.8,-1.9 1.5,1.5
DO216-AA [mm]
  rect 1.38x0.75 smd: 1(2.01,0)
  rect 1.82x2.03 smd: 2(-0.3,0)
  Top region: -0.3,0.5 -0.3,0.95 0.9,0.95 0.9,-0.95 -0.3,-0.95 -0.3,-0.5 -1.7,-0.5 -1.7,0.5
  silkscreen extent -2.2,-1.4 3.1,1.4
ESD_WLCSP4_CASE-567CB_0P80X0P80_P040 [mm]
  round 0.25 smd paste+0 mask+0.038: A1(-0.2,0.2) A2(0.2,0.2) B1(-0.2,-0.2) B2(0.2,-0.2)
  silkscreen extent -0.55,-0.43 0.43,0.55, body extent -0.4,-0.4 0.4,0.4, height 0.64
F201-1*06MGF-W1-BA [mm]
  rect 1.02x3 smd: 1(-6.35,-1.5) 2(-3.81,1.5) 3(-1.27,-1.5) 4(1.27,1.5) 5(3.81,-1.5) 6(6.35,1.5)
  silkscreen extent -9.17,-2.91 7.87,1.27
F201-1*08MGF-W1-BA [mm]
  rect 1.02x3 smd: 1(-8.89,-1.5) 2(-6.35,1.5) 3(-3.81,-1.5) 4(-1.27,1.5) 5(1.27,-1.5) 6(3.81,1.5) 7(6.35,-1.5) 8(8.89,1.5)
  silkscreen extent -12.13,-1.27 10.41,1.27
F201-1*10MGF-W1-BA [mm]
  rect 1.02x3 smd: 1(-11.43,-1.5) 2(-8.89,1.5) 3(-6.35,-1.5) 4(-3.81,1.5) 5(-1.27,-1.5) 6(1.27,1.5) 7(3.81,-1.5) 8(6.35,1.5) 9(8.89,-1.5) 10(11.43,1.5)
  silkscreen extent -14.36,-2.92 12.95,1.27
FBGA90_0R8_8X13 [mm]
  oct 0.35x0.35 smd: A1(-3.2,5.6) A2(-2.4,5.6) A3(-1.6,5.6) A7(1.6,5.6) A8(2.4,5.6) A9(3.2,5.6) B1(-3.2,4.8) B2(-2.4,4.8) B3(-1.6,4.8) B7(1.6,4.8) B8(2.4,4.8) B9(3.2,4.8) C1(-3.2,4) C2(-2.4,4) C3(-1.6,4) C7(1.6,4) C8(2.4,4) C9(3.2,4) D1(-3.2,3.2) D2(-2.4,3.2) D3(-1.6,3.2) D7(1.6,3.2) D8(2.4,3.2) D9(3.2,3.2) E1(-3.2,2.4) E2(-2.4,2.4) E3(-1.6,2.4) E7(1.6,2.4) E8(2.4,2.4) E9(3.2,2.4) F1(-3.2,1.6) F2(-2.4,1.6) F3(-1.6,1.6) F7(1.6,1.6) F8(2.4,1.6) F9(3.2,1.6) G1(-3.2,0.8) G2(-2.4,0.8) G3(-1.6,0.8) G7(1.6,0.8) G8(2.4,0.8) G9(3.2,0.8) H1(-3.2,0) H2(-2.4,0) H3(-1.6,0) H7(1.6,0) H8(2.4,0) H9(3.2,0) J1(-3.2,-0.8) J2(-2.4,-0.8) J3(-1.6,-0.8) J7(1.6,-0.8) J8(2.4,-0.8) J9(3.2,-0.8) K1(-3.2,-1.6) K2(-2.4,-1.6) K3(-1.6,-1.6) K7(1.6,-1.6) K8(2.4,-1.6) K9(3.2,-1.6) L1(-3.2,-2.4) L2(-2.4,-2.4) L3(-1.6,-2.4) L7(1.6,-2.4) L8(2.4,-2.4) L9(3.2,-2.4) M1(-3.2,-3.2) M2(-2.4,-3.2) M3(-1.6,-3.2) M7(1.6,-3.2) M8(2.4,-3.2) M9(3.2,-3.2) N1(-3.2,-4) N2(-2.4,-4) N3(-1.6,-4) N7(1.6,-4) N8(2.4,-4) N9(3.2,-4) P1(-3.2,-4.8) P2(-2.4,-4.8) P3(-1.6,-4.8) P7(1.6,-4.8) P8(2.4,-4.8) P9(3.2,-4.8) R1(-3.2,-5.6) R2(-2.4,-5.6) R3(-1.6,-5.6) R7(1.6,-5.6) R8(2.4,-5.6) R9(3.2,-5.6)
  silkscreen extent -4.1,-6.6 4.1,6.6
FIX3.25NMET [mm]
  round 0.8 hole 3.25 unplated: 1(0,0)
  Keep-Out Layer circle w0.2: c0,0 r2.125
"FLIP CHIP" [mm]
  round 0.32 smd: A2(0,1) A3(0.5,1) B1(-0.5,0.5) B2(0,0.5) B3(0.5,0.5) C1(-0.5,0) C2(0,0) C3(0.5,0) D1(-0.5,-0.5) D2(0,-0.5) D3(0.5,-0.5)
  silkscreen extent -1.25,-0.9 0.9,1.4
FPU330ZH-BT1D3-CA [mm]
  rect 0.3x1.25 smd: 1(-7.25,2.575) 2(-6.75,2.575) 3(-6.25,2.575) 4(-5.75,2.575) 5(-5.25,2.575) 6(-4.75,2.575) 7(-4.25,2.575) 8(-3.75,2.575) 9(-3.25,2.575) 10(-2.75,2.575) 11(-2.25,2.575) 12(-1.75,2.575) 13(-1.25,2.575) 14(-0.75,2.575) 15(-0.25,2.575) 16(0.25,2.575) 17(0.75,2.575) 18(1.25,2.575) 19(1.75,2.575) 20(2.25,2.575) 21(2.75,2.575) 22(3.25,2.575) 23(3.75,2.575) 24(4.25,2.575) 25(4.75,2.575) 26(5.25,2.575) 27(5.75,2.575) 28(6.25,2.575) 29(6.75,2.575) 30(7.25,2.575)
  rect 2x2.5 smd: 31(8.94,0) 32(-8.94,0)
  silkscreen extent -10.34,-2.6 10.34,3.55
HCLGA_3X4X1_4LD [mm]
  rect 0.4x0.95 smd paste+0 mask+0.05: 1(0.45,-0.675) 2(0.45,0.675) 3(-0.45,0.675) 4(-0.45,-0.675)
  rect 0.35x2.3 smd paste+0 mask+0.05: 5(-1.225,0) 5(1.225,0)
  rect 1.3x0.35 smd paste+0 mask+0.05: 5(0,-1.725) 5(0,1.725)
  silkscreen extent -1.55,-2.05 1.55,2.05, body extent -1.45,-1.95 1.45,1.95, height 1.03
"HEADER 4" [mil]
  rect 70x70 hole 39.37: 1(0,0)
  round 70 hole 39.37: 2(100,0) 3(200,0) 4(300,0)
  silkscreen extent -50,-50 350,50
HSMF-A201 [mm]
  rect 1.5x1.1 smd: 1(-1.5,0.75) 2(1.5,0.75) 3(1.5,-0.75) 4(-1.5,-0.75)
  silkscreen extent -1.7,-1.6 1.7,1.6
"IMPEDANCE BOARD 8" [mm]
JP2_SMD [mil]
  round 10 smd paste-393.7: 1(-19.69,0) 2(23.62,0)
  Top region: -9.84,-19.69 49.21,-19.69 49.21,19.69 -9.84,19.69 9.84,0
  Top region: -19.69,19.69 -49.21,19.69 -49.21,-19.69 -19.69,-19.69 0,0
"LCD_Kunjian_ HT043C_40P_P080_FLEX_FOLDED" [mm]
  rect 0.5x2 smd mask+0.05: 1(-15.6,-2) 2(-14.8,-2) 3(-14,-2) 4(-13.2,-2) 5(-12.4,-2) 6(-11.6,-2) 7(-10.8,-2) 8(-10,-2) 9(-9.2,-2) 10(-8.4,-2) 11(-7.6,-2) 12(-6.8,-2) 13(-6,-2) 14(-5.2,-2) 15(-4.4,-2) 16(-3.6,-2) 17(-2.8,-2) 18(-2,-2) 19(-1.2,-2) 20(-0.4,-2) 21(0.4,-2) 22(1.2,-2) 23(2,-2) 24(2.8,-2) 25(3.6,-2) 26(4.4,-2) 27(5.2,-2) 28(6,-2) 29(6.8,-2) 30(7.6,-2) 31(8.4,-2) 32(9.2,-2) 33(10,-2) 34(10.8,-2) 35(11.6,-2) 36(12.4,-2) 37(13.2,-2) 38(14,-2) 39(14.8,-2) 40(15.6,-2)
  round 0 hole 1 unplated mask+0.05: NPTH1(-17.6,-2) NPTH2(17.6,-2)
  silkscreen extent -52.75,-36.93 52.75,33.6, body extent -52.75,-36.93 52.75,33.6, height 7.6
NZ2520SH_4P [mm]
  rect 1x1 smd mask+0.05: 1(-0.825,-0.625) 2(0.825,-0.625) 3(0.825,0.625) 4(-0.825,0.625)
  silkscreen extent -1.43,-1.22 1.2,1.05, body extent -1.3,-1.05 1.3,1.05, height 0.91
PJ3028B [mm]
  round 0.8 hole 2 unplated: 1(-3.5,0) 8(3.5,0)
  rect 1.5x2.5 smd: 2(-7.25,-3.45) 7(-5.65,3.45)
  rect 2x2.5 smd: 3(-4.5,-3.45) 4(-2.7,3.45) 6(4.7,-3.45)
  rect 2.5x2 smd: 5(8.75,0.75)
  silkscreen extent -9.5,-3 7.5,3
PJS008-2003-1 [mm]
  rect 1.6x0.8 smd paste+0 mask+0.05: 1(-15.6,-2.525) 2(-15.6,-1.425) 3(-15.6,-0.325) 4(-15.6,0.775) 5(-15.6,1.875) 6(-15.6,2.975) 7(-15.6,4.075) 8(-15.6,5.175) 9(-15.6,6.325)
  rect 1.4x1.95 smd paste+0 mask+0.05: 10(-5.4,7.225)
  rect 3.5x1.5 smd paste+0 mask+0.05: 11(-2.45,7.45)
  rect 3.5x1.4 smd paste+0 mask+0.05: 12(-2.45,-7.5)
  rect 3.5x1.6 smd paste+0 mask+0.05: 13(-13.45,-7.4)
  rect 3.1x1.2 smd paste+0 mask+0.05: 14(-13.95,7.6)
  round 0 hole 0.65 unplated mask+0.05: NPTH1(-9.8,-4)
  round 0 hole 0.7 unplated mask+0.05: NPTH2(-9.8,3.55)
  silkscreen extent -15.32,-7.25 5.65,7.25, body extent -15.04,-7.18 -0.84,7.42, height 2
QFN8_0R65_3X3_ST [mm]
  rect 0.4x0.7 smd: 1(-0.975,-1.425) 2(-0.325,-1.425) 3(0.325,-1.425) 4(0.975,-1.425) 5(0.975,1.425) 6(0.325,1.425) 7(-0.325,1.425) 8(-0.975,1.425)
  rect 2.64x1.9 smd: 9(0,0)
  Top region: -1.275,-0.9 -1.275,-0.35 -1.575,-0.35 -1.575,-0.2 -1.275,-0.2 -1.275,0.2 -1.575,0.2 -1.575,0.35 -1.275,0.35 -1.275,0.9 1.275,0.9 1.275,0.35 1.575,0.35 1.575,0.2 1.275,0.2 1.275,-0.2 1.575,-0.2 1.575,-0.35 1.275,-0.35 1.275,-0.9
  silkscreen extent -1.5,-2 1.5,2